# Altium PCB counter.PcbDoc
Units mil, origin at the board's own origin, x right, y up, seen from the top; angles counter-clockwise.
Board outline 2804 x 3796 mil, 2 copper layers (Top Layer, Bottom Layer); 72 components, 65 nets, 244 pads, 37 vias.
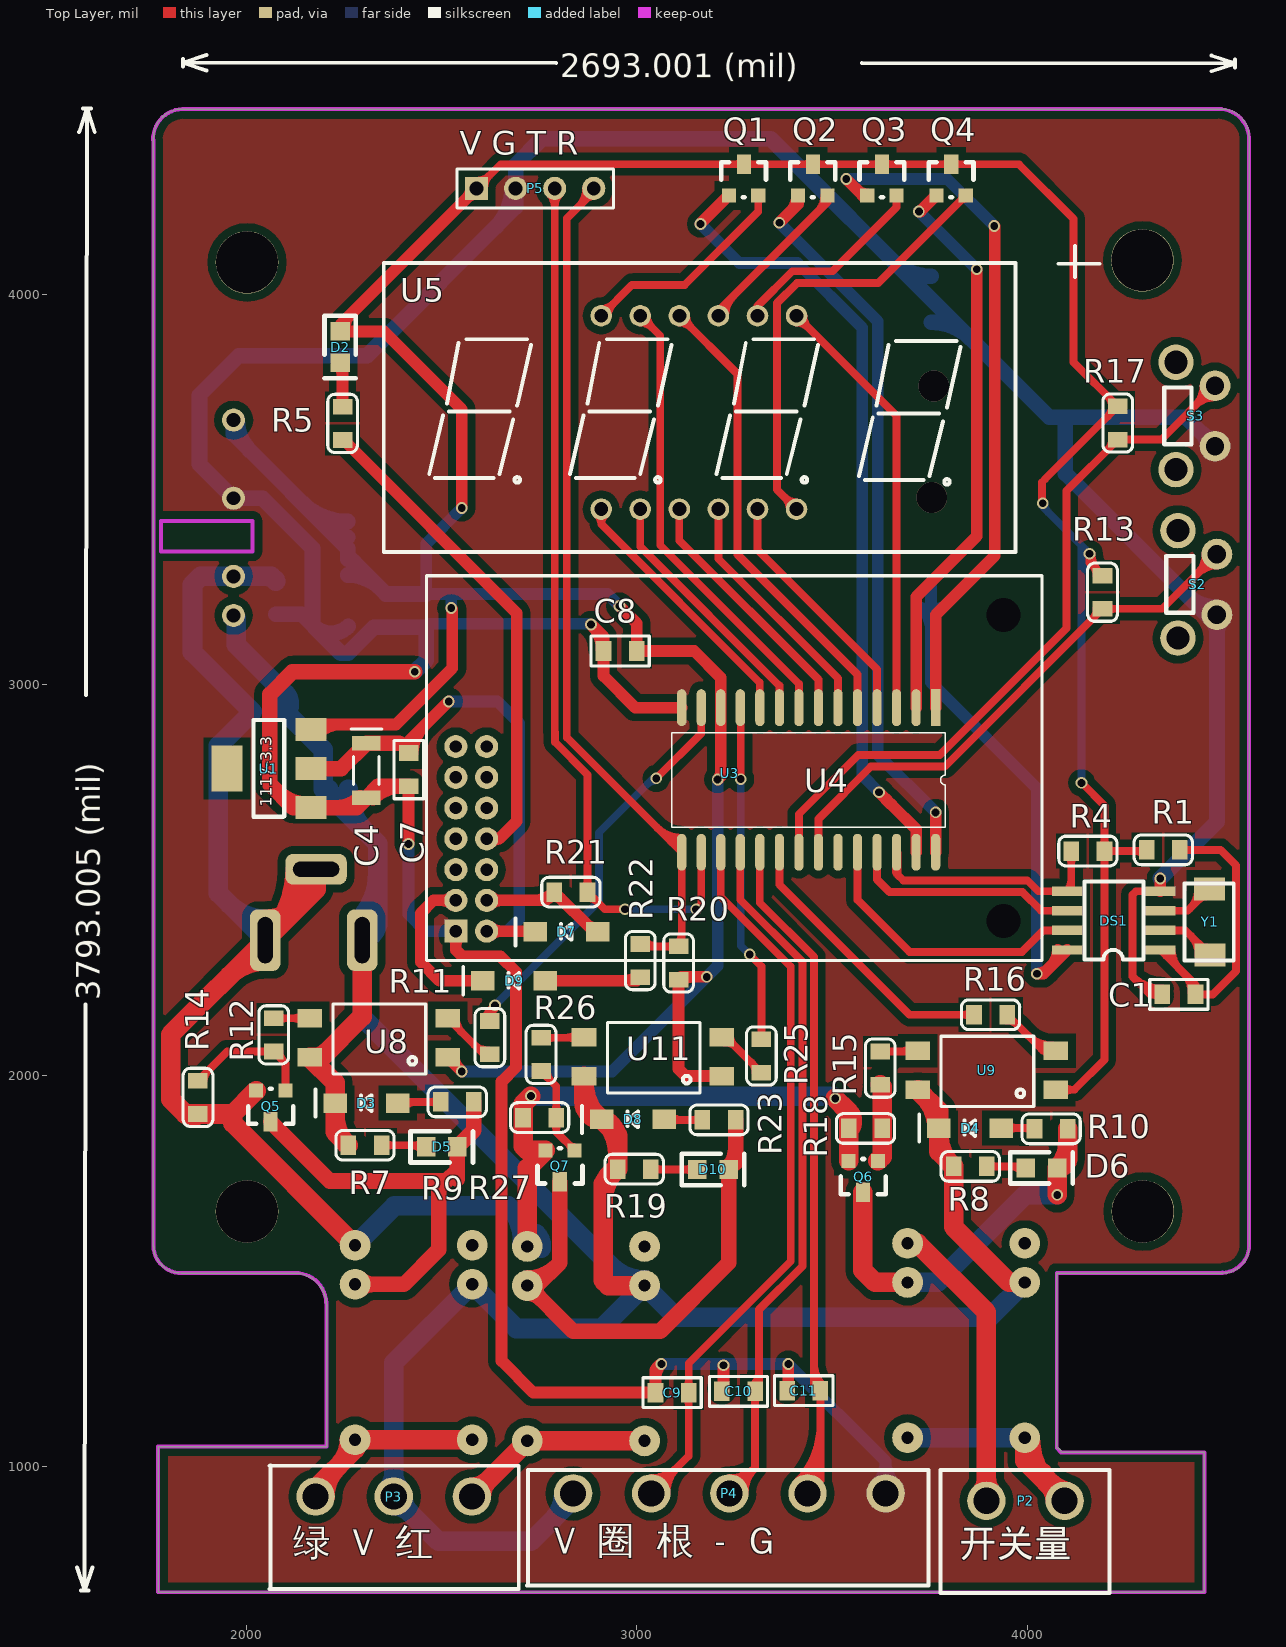
[diagram p0: Top Layer view]
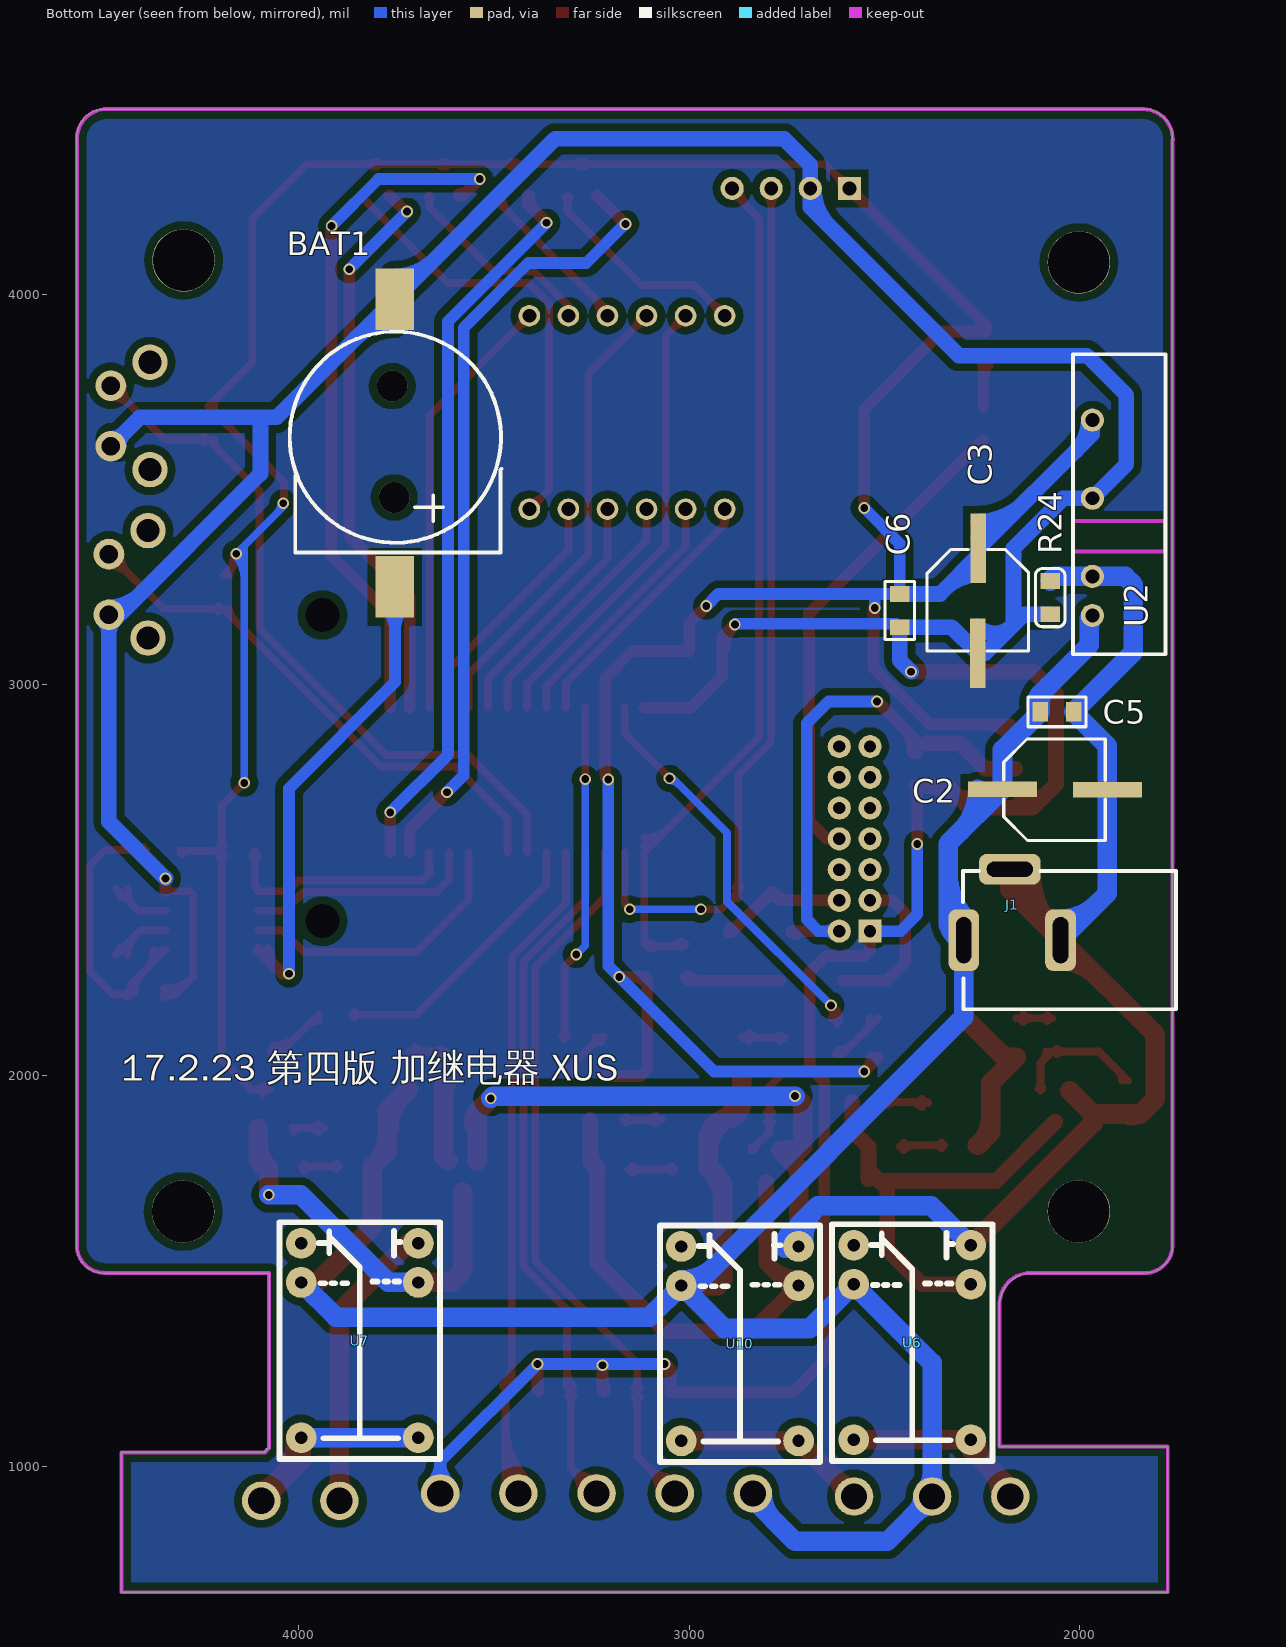
[diagram p1: Bottom Layer view, seen from below]
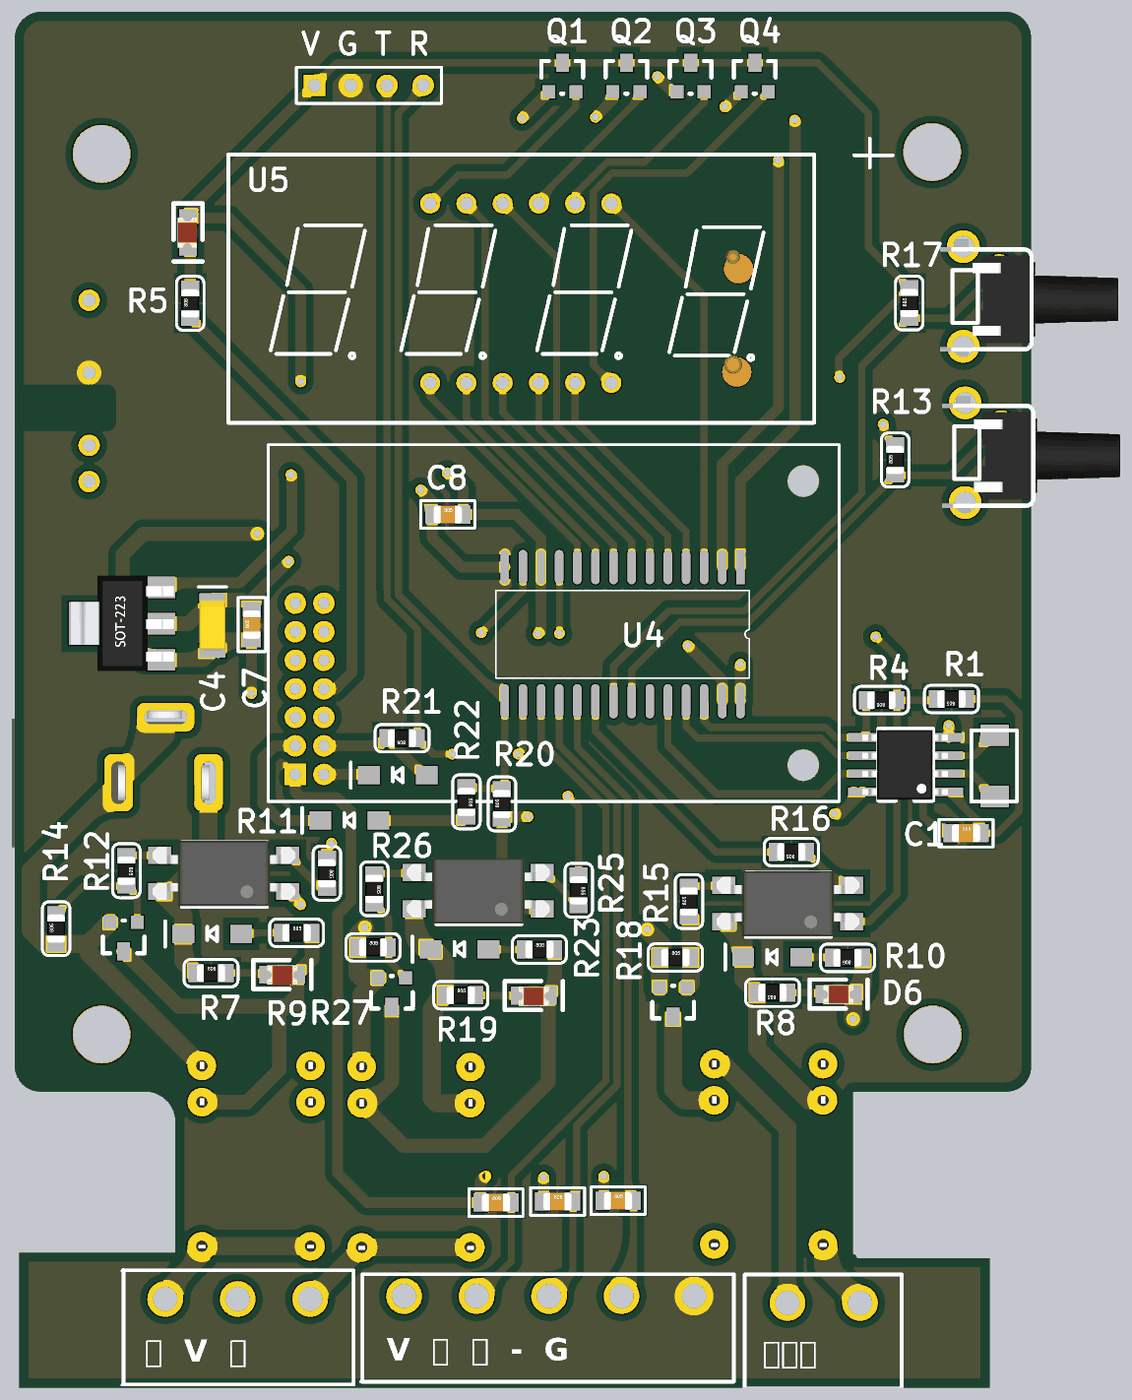
[diagram p2: 3D render of the assembled board from above, using the file's embedded part models]
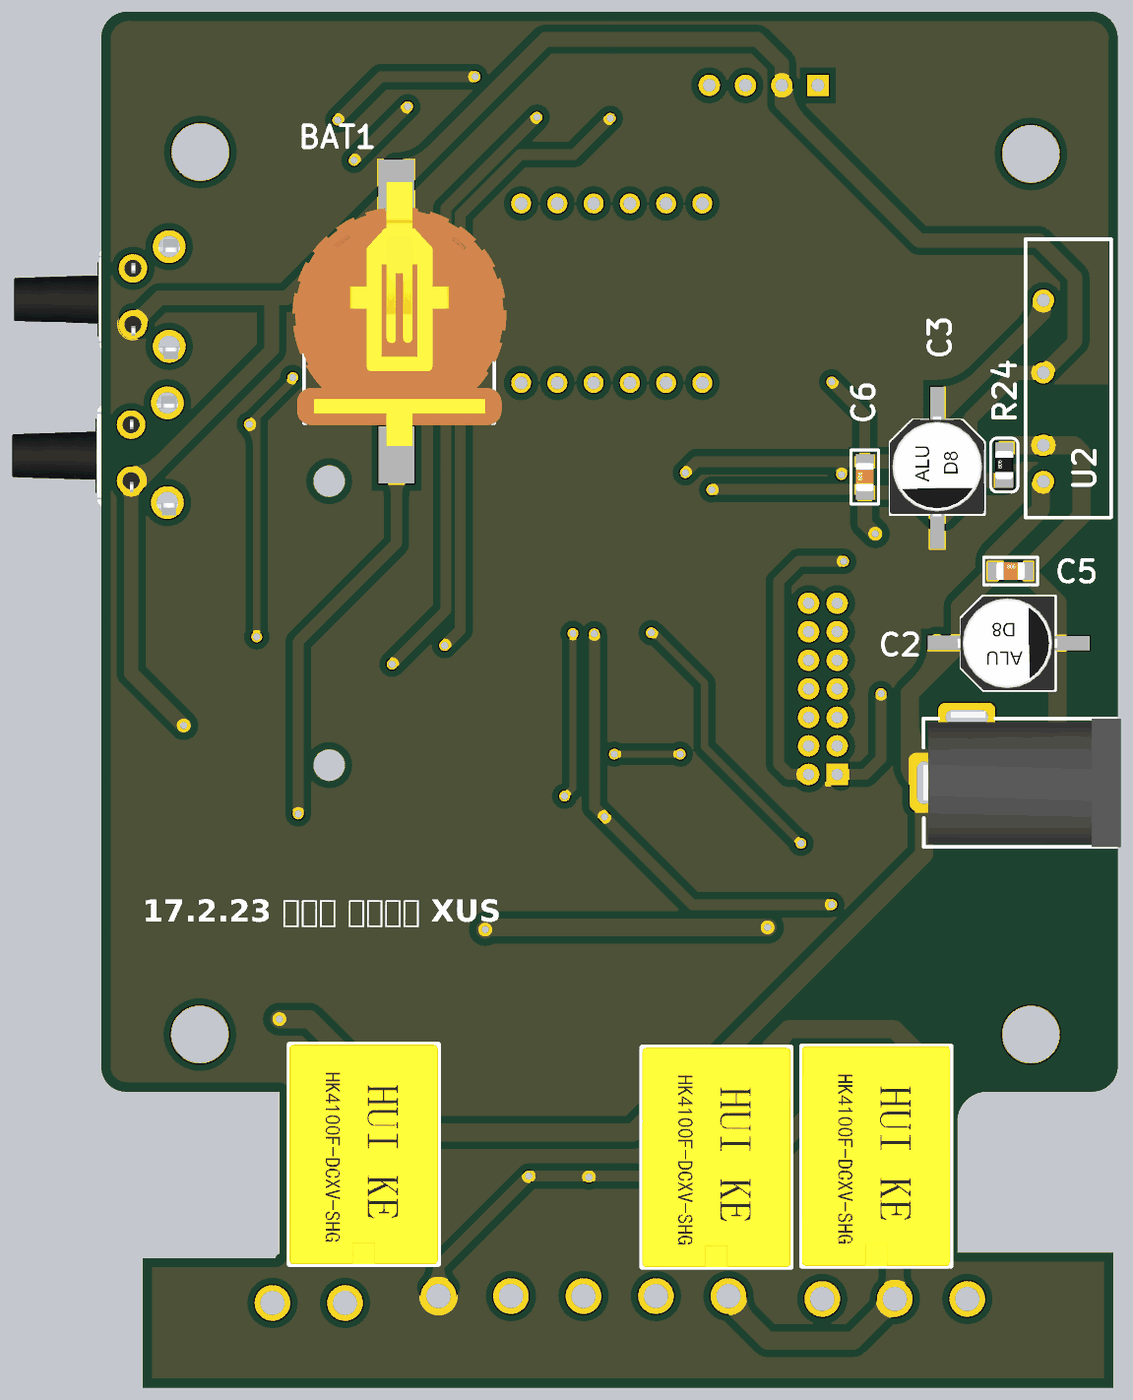
[diagram p3: 3D render of the assembled board from below, using the file's embedded part models]

## Layer stack, top to bottom
Top Layer: signal copper 1.4
Dielectric: dielectric 12.6, FR-4, Dk 4.8
Bottom Layer: signal copper 1.4

## Board outline
1775,1051 2206,1051 2206,1412 ccw(c2123,1412) 2123,1495 2112,1495 1833.7,1495 cw(c1833.7,1565.7) 1763,1565.7 1763,4400 cw(c1837,4400) 1837,4474 4495.17,4474 cw(c4495.17,4402.17) 4567,4402.17 4567,1562.74 cw(c4499.26,1562.74) 4499.26,1495 4075,1495 4075,1047 cw(c4075,1036) 4086,1036 4452.87,1036 4452.87,678 1775,678

## Design rules (kind name [scope] priority, off if disabled: settings)
Clearance Clearance_1 [All] p1: gap=10
Clearance [InNet('GND')] p2: gap=10
FabricationTestPointUsage TestPointUsage [All] p1: valid=0 allowmultiple=FALSE
FabricationTestpoint Testpoint [(IsPad And (OnTopLayer Or OnBottomLayer))] p1: side=3 testpointundercomponent=TRUE minsize=40 maxsize=100 preferedsize=60 minholesize=0 maxholesize=40 preferedholesize=32 testpointgrid=1 allowsidetop=TRUE allowsidebottom=TRUE usegrid=TRUE gridtolerance=0.01
PlaneConnect [All] p1: planeconnectstyle=Direct reliefexpansion=20 reliefentries=4 reliefconductorwidth=10 reliefairgap=10
PolygonConnect [All] p1: connectstyle=Direct reliefconductorwidth=10 reliefentries=4 polygonreliefangle="90 Angle" airgapwidth=10
RoutingVias [All] p1: holewidth=25 width=30 viastyle="Through Hole" minholewidth=10 minwidth=10 maxholewidth=28 maxwidth=50
SilkToSolderMaskClearance SilkscreenOverComponentPads [IsPad] p1: minsilkscreentomaskgap=10 clearancetoexposedcopper=TRUE
SolderMaskExpansion [All] p1: expansion=4
Width Width_1 [All] p1: maxlimit=50 minlimit=15 preferedwidth=20
Width Width_3.3 [InNet('VCC_3.3V')] p2: maxlimit=30 minlimit=15 preferedwidth=20
Width Width_5 [InNet('VCC_5V')] p3: maxlimit=30 minlimit=15 preferedwidth=20
Width [InNet('GND')] p4: maxlimit=0 minlimit=99999 preferedwidth=0 toplayer_minwidth=0 bottomlayer_minwidth=0 minimp=50.000000 maximp=50.000000 favimp=50.000000
24 further rules are at their usual default settings.

## Components (designator, comment, footprint, x,y, rotation, side; value= is the part's Value field where it differs from the comment)
BAT1 "BATTERY" BATTERY 3860,3310 r270 bottom
C1 "0.1uF" 0805C 4345,2208 r0 top
C2 "220uF" 铝电解电容6x7 1935,2602 r0 bottom
C3 "220uF" 铝电解电容6x7 2391,3087 r90 bottom
C4 "Cap Tantalum" "CAP 3216X06M" 2308,2781 r270 top
C5 "Cap1" 0805C 2101,2931 r180 bottom
C6 "0.1uF" 0805C 2461,3148 r90 bottom
C7 "0.1uF" 0805C 2417,2741 r90 top
C8 "0.1uF" 0805C 2915,3087 r0 top
C9 "0.1uF" 0805C 3048,1189 r0 top
C10 "0.1uF" 0805C 3218,1192 r0 top
C11 "0.1uF" 0805C 3385,1194 r0 top
D2 "LED0" 0805AK 2241,3905 r270 top
D3 "1N4148" 二极管贴片 2248,1930 r0 top
D4 "1N4148" 二极管贴片 3793,1866 r0 top
D5 "GREEN" 0805AK 2461,1818 r0 top
D6 "GREEN" 0805AK 3996,1764 r0 top
D7 "1N4148" 二极管贴片 2760,2368 r0 top
D8 "1N4148" 二极管贴片 2930,1888 r0 top
D9 "1N4148" 二极管贴片 2626,2243 r0 top
D10 "GREEN" 0805AK 3155,1760 r0 top
DS1 "U?" SOP-8 4340,2322 r180 top
J1 "DC2.5" POW 2192,2779 r270 bottom
P2 "Header 2" 5.08_2P 3895,912 r0 top
P3 "caution light" 5.08_3P 2178,923 r0 top
P4 "Header 5" 5.08_5P 2837,931 r0 top
P5 "下载接口" HDR1X4 2590,4271 r0 top
Q1 "8050" SOT-23-EBC 3236,4253 r0 top
Q2 "8050" SOT-23-EBC 3413,4253 r0 top
Q3 "8050" SOT-23-EBC 3590,4253 r0 top
Q4 "8050" SOT-23-EBC 3767,4253 r0 top
Q5 "8050" SOT-23-EBC 2101,1962 r180 top
Q6 "8050" SOT-23-EBC 3617,1782 r180 top
Q7 "8050" SOT-23-EBC 2841,1809 r180 top
R1 "Res Semi" 0805R 4390,2578 r180 top
R4 "Res Semi" 0805R 4197,2575 r180 top
R5 "Res1" 0805R 2247,3627 r90 top
R7 "Res Semi" 0805R 2262,1822 r0 top
R8 "Res Semi" 0805R 3896,1768 r180 top
R9 "Res Semi" 0805R 2498,1933 r0 top
R10 "Res Semi" 0805R 4103,1864 r180 top
R11 "Res Semi" 0805R 2624,2140 r270 top
R12 "Res Semi" 0805R 2071,2147 r270 top
R13 "Res Semi" 0805R 4192,3195 r90 top
R14 "Res Semi" 0805R 1877,1902 r90 top
R15 "Res Semi" 0805R 3623,1977 r90 top
R16 "Res Semi" 0805R 3948,2156 r180 top
R17 "Res Semi" 0805R 4231,3628 r90 top
R18 "Res Semi" 0805R 3543,1865 r0 top
R19 "Res Semi" 0805R 2951,1761 r0 top
R20 "Res Semi" 0805R 3107,2246 r90 top
R21 "Res Semi" 0805R 2874,2470 r180 top
R22 "Res Semi" 0805R 3009,2337 r270 top
R23 "Res Semi" 0805R 3168,1887 r0 top
R24 "Res Semi" 0805R 2076,3181 r90 bottom
R25 "Res Semi" 0805R 3319,2093 r270 top
R26 "Res Semi" 0805R 2755,2097 r270 top
R27 "Res Semi" 0805R 2709,1893 r0 top
S2 "SW-PB" KEY—立式 4385,3120 r90 top
S3 "SW-PB" KEY—立式 4380,3551 r90 top
U1 "AMS1117-3.3" AMS1117 1951,2786 r90 top
U2 "ZMR1205S" ZMR2405S 1968,3178 r90 bottom
U3 "USR-WIFI232-A" USR-WIFI232-A/B/D 2537,2370 r0 top
U4 "STC15F2K60S2_SOP28_SKDIP28" SOP28-STC 3765,2942 r270 top
U5 "四位共阳数码管" "0.4英寸 4位共阳数码管" 2349,3340 r0 top
U6 "HK4100F-DCXV-SHG" HK4100F-DC5V-SHG 2579,1566 r270 bottom
U7 "HK4100F-DCXV-SHG" HK4100F-DC5V-SHG 3993,1571 r270 bottom
U8 "PC817" PC817 2495,2004 r180 top
U9 "PC817" PC817 4051,1921 r180 top
U10 "HK4100F-DCXV-SHG" HK4100F-DC5V-SHG 3020,1563 r270 bottom
U11 "PC817" PC817 3197,1956 r180 top
Y1 "XTAL" NX5032CA 4402,2295 r90 top

## Footprints (in the part's own frame and the unit in brackets; to place one, negate y for a bottom-side part, rotate by r counter-clockwise, add the part's x,y. Pads: shape width x height; smd on the part's side, far side on the other; paste and mask are expansions set on the pad)
"0.4英寸 4位共阳数码管" [mm]
  round 1.4 hole 0.9: 1(14.224,2.794) 2(16.764,2.794) 3(19.304,2.794) 4(21.844,2.794) 5(24.384,2.794) 6(26.924,2.794) 7(26.924,15.367) 8(24.384,15.367) 9(21.844,15.367) 10(19.304,15.367) 11(16.764,15.367) 12(14.224,15.367)
  silkscreen extent 0.09,0 41.15,18.8
5.08_2P [mm]
  round 2.5 hole 1.7: 1(0,0) 2(5.08,0)
  silkscreen extent -3,-6 8,2
5.08_3P [mm]
  round 2.5 hole 1.7: 1(0,0) 2(5.08,0) 3(10.16,0)
  silkscreen extent -3,-6 13.21,2.03
5.08_5P [mm]
  round 2.5 hole 1.7: 1(0,0) 2(5.08,0) 3(10.16,0) 4(15.24,0) 5(20.32,0)
  silkscreen extent -3,-6 23.11,1.52
0805AK [mm]
  rect 1.2x1.25 smd: A(0,0) K(2.032,0)
  silkscreen extent -1.02,-1.02 3.05,1.02, body extent -0.03,-0.71 2.07,0.64, height 0.9
0805C [mil]
  rect 40x50 smd: 1(0,0) 2(85,0)
  silkscreen extent -32,-38 117,38, body extent 3,-25 82,25, height 30
0805R [mil]
  rect 40x50 smd: 1(0,0) 2(85,0)
  silkscreen extent -32,-38 117,38, body extent 3,-25 82,25, height 30
AMS1117 [mm]
  rect 1.5x2 smd paste+0: 1(-2.54,-5.461) 2(0,-5.461) 3(2.54,-5.461)
  rect 3x2 smd paste+0: 4(0,0)
  silkscreen extent -3.12,-3.73 3.15,-1.73, body extent -3.33,-6.38 3.37,0.83, height 1.85
BATTERY [mil]
  rect 157.48x98.43 smd: 1(59,107) 2(-677,106)
  silkscreen extent -594,-162 -29,380, body extent -694,-180 34,410, height 20
"CAP 3216X06M" [mm] "Chip Capacitor, 2-Leads, Body 3.2x1.6mm, IPC Low Density"
  rect 0.95x1.85 smd: 1(-1.775,0) 2(1.775,0)
  silkscreen extent -2.7,-1 0.9,1, body extent -1.74,-0.9 1.78,0.9, height 1.8
HDR1X4 [mm] "Connector; Header; 4 Position"
  rect 1.5x1.5 hole 0.9: 1(0,0)
  round 1.5 hole 0.9: 2(2.54,0) 3(5.08,0) 4(7.62,0)
  silkscreen extent -1.27,-1.27 8.89,1.27
HK4100F-DC5V-SHG [mm]
  round 2 hole 0.8: 1(12.64,0) 1(12.64,7.62) 2(0,0) 3(0,7.62) 4(2.54,0) 5(2.54,7.62)
  silkscreen extent -1.37,-1.4 14.02,9.02, body extent -1.38,-1.4 14.02,9, height 11.81
KEY—立式 [mm]
  round 2 hole 1.2 paste+0: 1(1.524,-2.54) 2(5.461,-2.54)
  round 2.3 hole 1.5 paste+0: 3(6.985,0) 4(0,0)
  silkscreen extent 1.65,-1.02 5.33,0.76, body extent -0.9,-10.86 7.47,1.61, height 7.37
NX5032CA [mil]
  rect 59.06x78.74 smd: 1(14,-65) 2(183,-64)
  silkscreen extent 0,-126 197,0
PC817 [mil]
  rect 62.99x47.24 smd: 1(-21,-43) 2(-21,-143) 3(332,-143) 4(332,-43)
  silkscreen extent 35,-180 272,0, body extent -42,-183 352,-3, height 152
POW [mm]
  rrect50% 4x2 hole 1 slot 3 at 0 deg: 1(10.969,-2.675) 2(10.969,3.625)
  rrect50% 2x4 hole 1 slot 3 at 90 deg: 3(6.369,0.325)
  silkscreen extent 6.47,-2.72 15.47,11.13, body extent 5.97,-2.72 15.47,11.11, height 11.02
SOP28-STC [mm]
  rect 2.4x0.6 smd: 1(0,0)
  oval 2.4x0.6 smd: 2(0,-1.27) 3(0,-2.54) 4(0,-3.81) 5(0,-5.08) 6(0,-6.35) 7(0,-7.62) 8(0,-8.89) 9(0,-10.16) 10(0,-11.43) 11(0,-12.7) 12(0,-13.97) 13(0,-15.24) 14(0,-16.51) 15(9.4,-16.51) 16(9.4,-15.24) 17(9.4,-13.97) 18(9.4,-12.7) 19(9.4,-11.43) 20(9.4,-10.16) 21(9.4,-8.89) 22(9.4,-7.62) 23(9.4,-6.35) 24(9.4,-5.08) 25(9.4,-3.81) 26(9.4,-2.54) 27(9.4,-1.27) 28(9.4,0)
  silkscreen extent 1.63,-17.14 7.76,0.64
SOP-8 [mm]
  rect 2x0.6 smd: 1(0,0) 2(0,-1.27) 3(0,-2.54) 4(0,-3.81) 5(6.048,-3.81) 6(6.048,-2.54) 7(6.048,-1.27) 8(6.048,0)
  silkscreen extent 1.1,-4.44 4.94,0.64, body extent 0.07,-4.34 6.07,0.56, height 1.75
SOT-23-EBC [mil]
  rect 36x36 smd: B(0,0) E(75,0)
  rect 36x50 smd: C(38,80)
  silkscreen extent -20,-5 95,85
USR-WIFI232-A/B/D [mm]
  round 0 hole 2.2: 0(35.6,0.65) 0(35.6,20.55)
  rect 1.5x1.5 hole 0.8: 1(0,0)
  round 1.5 hole 0.8: 2(2,0) 3(0,2) 4(2,2) 5(0,4) 6(2,4) 7(0,6) 8(2,6) 9(0,8) 10(2,8) 11(0,10) 12(2,10) 13(0,12) 14(2,12)
  silkscreen extent -1.9,-1.9 38.1,23.1
ZMR2405S [mm]
  round 1.5 hole 0.9: 1(0,0) 2(2.54,0) 3(7.62,0) 4(12.7,0)
  Keep-Out Layer lines w0.254: 4.166,-4.724 4.166,1.245 6.147,1.245 6.147,-4.724 4.166,-4.724
  silkscreen extent -2.52,-4.74 16.98,1.25, body extent -2.51,-4.72 16.94,1.27, height 10
二极管贴片 [mil]
  rect 60x50 smd: A(140,0) K(-20,0)
  silkscreen extent -70,-35 73,35
铝电解电容6x7 [mm]
  rect 4.5x1 smd: 1(6.68,-3.327) 2(-0.142,-3.3)
  silkscreen extent 0,-6.6 6.6,0, body extent -0.14,-6.6 6.86,0, height 7.7

## Part data
C1 C6 C7 C8 C9 C10 C11: library part Cap, "Capacitor"
C2 C3: library part "Cap Pol3", "Polarized Capacitor (Surface Mount)"
C4: "有极性贴片电容"
C5: "贴片电容"
D2: "Typical INFRARED GaAs LED"
D3 D4 D7 D8 D9: library part "Diode 1N4148", "High Conductance Fast Diode"
D5 D6 D10: library part LED0, "Typical INFRARED GaAs LED"
DS1: library part DS1302
J1: "Low Voltage Power Supply Connector"
P2: "Header, 2-Pin"
P3: library part "Header 3", "Header, 3-Pin"
P4: "Header, 5-Pin"
P5: library part "Header 4", "Header, 4-Pin"
Q1 Q2 Q3 Q4 Q5 Q6 Q7: library part 2N3904, "NPN General Purpose Amplifier"
R1 R4 R7 R8 R9 R10 R11 R12 R13 R14 R15 R16 R17 R18 R19 R20 R21 R22 R23 R24 R25 R26 R27: "Semiconductor Resistor"
R5: "贴片电阻"
S2 S3: "Switch"
U2: library part ZMR2405S
U6 U7 U10: library part HK4100F-DC5V-SHG
U8 U9 U11: library part Optoisolator1, "4-Pin Phototransistor Optocoupler"
Y1: "晶体振荡器"

## Free pads (board coordinates)
  round 160 hole 157.48: ""(2002.48,1652.48) ""(2002.48,4081.61) ""(4294,4087) ""(4295.39,1652.48)

## Via types
v1: diameter 30, hole 20, Top Layer to Bottom Layer, 35 vias
v2: diameter 78.74, hole 78.74, Top Layer to Bottom Layer, 2 vias
